# KiCad board beagle.kicad_pcb (continued)
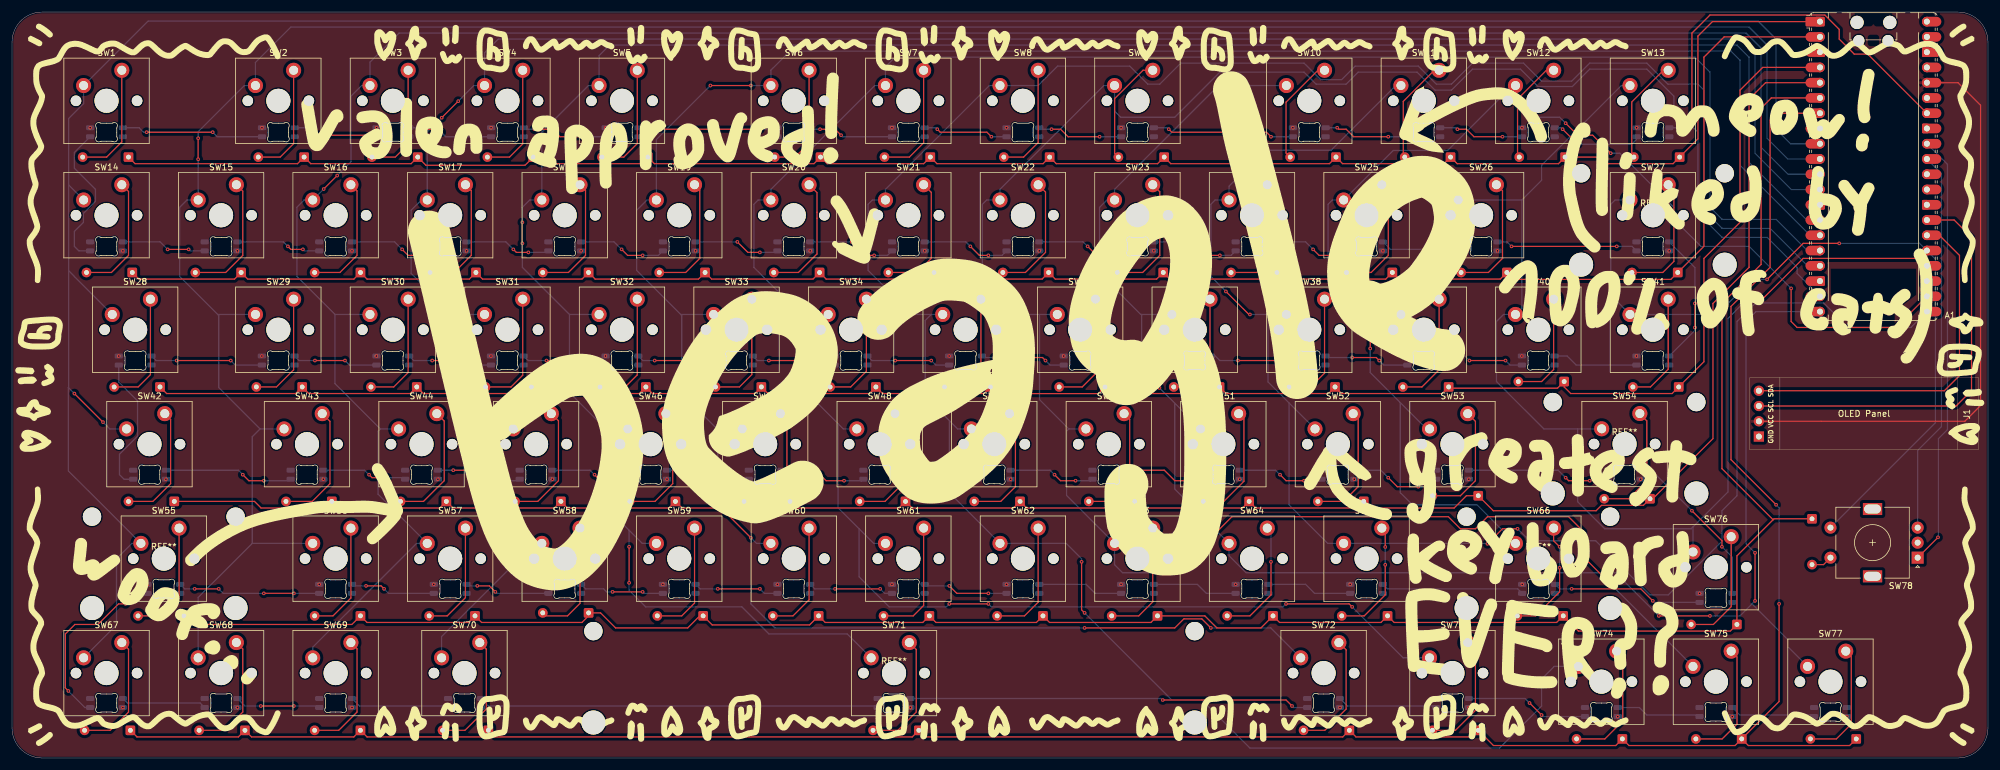
[diagram p0: board, top side]
## Footprints (pads in the part's own frame, mm; a bottom-side part is the same pattern mirrored in y, then rotated) (continued)
  round 4 hole 4 unplated: (0,0)
  round 2.5 hole 1.5: 1(-3.81,2.54) 2(2.54,5.08)
SW_Cherry_MX_PCB_1.75u
  round 1.75 hole 1.75 unplated: (-5.08,0) (5.08,0)
  round 4 hole 4 unplated: (0,0)
  round 2.5 hole 1.5: 1(-3.81,2.54) 2(2.54,5.08)
SW_Cherry_MX_PCB_2.00u
  round 1.75 hole 1.75 unplated: (-5.08,0) (5.08,0)
  round 4 hole 4 unplated: (0,0)
  round 2.5 hole 1.5: 1(-3.81,2.54) 2(2.54,5.08)
SW_Cherry_MX_PCB_6.25u
  round 1.75 hole 1.75 unplated: (-5.08,0) (5.08,0)
  round 4 hole 4 unplated: (0,0)
  round 2.5 hole 1.5: 1(-3.81,2.54) 2(2.54,5.08)

## Nets
+3V3: A1.36 D79.3 D80.3 D81.3 D82.3 D83.3 D84.3 D85.3 D86.3 D87.3 D88.3 D89.3 D90.3 D91.3 D92.3 D93.3 D94.3 D95.3 D96.3 D97.3 D98.3 D99.3 D100.3 D101.3 D102.3 D103.3 D104.3 D105.3 D106.3 D107.3 D108.3 D109.3 D110.3 D111.3 D112.3 D113.3 D114.3 D115.3 D116.3 D117.3 D118.3 D119.3 D120.3 D121.3 D122.3 D123.3 D124.3 D125.3 D126.3 D127.3 D128.3 D129.3 D130.3 D131.3 D132.3 D133.3 D134.3 D135.3 D136.3 D137.3 D138.3 D139.3 D140.3 D141.3 D142.3 D143.3 D144.3 D145.3 D146.3 D147.3 D148.3 D149.3 D150.3 D151.3 D152.3 D153.3 D154.3 D155.3 J1.2
GND: A1.3 A1.8 A1.13 A1.18 A1.23 A1.28 A1.38 D79.1 D80.1 D81.1 D82.1 D83.1 D84.1 D85.1 D86.1 D87.1 D88.1 D89.1 D90.1 D91.1 D92.1 D93.1 D94.1 D95.1 D96.1 D97.1 D98.1 D99.1 D100.1 D101.1 D102.1 D103.1 D104.1 D105.1 D106.1 D107.1 D108.1 D109.1 D110.1 D111.1 D112.1 D113.1 D114.1 D115.1 D116.1 D117.1 D118.1 D119.1 D120.1 D121.1 D122.1 D123.1 D124.1 D125.1 D126.1 D127.1 D128.1 D129.1 D130.1 D131.1 D132.1 D133.1 D134.1 D135.1 D136.1 D137.1 D138.1 D139.1 D140.1 D141.1 D142.1 D143.1 D144.1 D145.1 D146.1 D147.1 D148.1 D149.1 D150.1 D151.1 D152.1 D153.1 D154.1 D155.1 J1.1 SW78.C
COL1: A1.9 SW1.1 SW14.1 SW28.1 SW42.1 SW55.1 SW67.1
COL2: A1.10 SW2.1 SW15.1 SW29.1 SW43.1 SW56.1 SW68.1
COL3: A1.11 SW3.1 SW16.1 SW30.1 SW44.1 SW57.1 SW69.1
COL4: A1.12 SW4.1 SW17.1 SW31.1 SW45.1 SW58.1 SW70.1
COL5: A1.14 SW5.1 SW18.1 SW32.1 SW46.1 SW59.1 SW71.1
COL6: A1.15 SW6.1 SW19.1 SW33.1 SW47.1 SW60.1 SW72.1
COL7: A1.16 SW7.1 SW20.1 SW34.1 SW48.1 SW61.1 SW73.1
COL8: A1.17 SW8.1 SW21.1 SW35.1 SW49.1 SW62.1 SW74.1
COL9: A1.19 SW9.1 SW22.1 SW36.1 SW50.1 SW63.1 SW75.1
COL10: A1.20 SW10.1 SW23.1 SW37.1 SW51.1 SW64.1 SW77.1
COL11: A1.21 SW11.1 SW24.1 SW38.1 SW52.1 SW65.1
COL12: A1.22 SW12.1 SW25.1 SW39.1 SW53.1 SW66.1
COL13: A1.24 SW13.1 SW26.1 SW40.1 SW54.1 SW76.1
COL14: A1.25 SW27.1 SW41.1 SW78.S1
NEOPIXEL: A1.34 D79.2
ROTA: A1.32 SW78.A
ROTB: A1.31 SW78.B
ROTSW2: D78.2 SW78.S2
ROW1: A1.1 D1.1 D2.1 D3.1 D4.1 D5.1 D6.1 D7.1 D8.1 D9.1 D10.1 D11.1 D12.1 D13.1
ROW2: A1.2 D14.1 D15.1 D16.1 D17.1 D18.1 D19.1 D20.1 D21.1 D22.1 D23.1 D24.1 D25.1 D26.1 D27.1
ROW3: A1.4 D28.1 D29.1 D30.1 D31.1 D32.1 D33.1 D34.1 D35.1 D36.1 D37.1 D38.1 D39.1 D40.1 D41.1
ROW4: A1.5 D42.1 D43.1 D44.1 D45.1 D46.1 D47.1 D48.1 D49.1 D50.1 D51.1 D52.1 D53.1 D54.1
ROW5: A1.6 D55.1 D56.1 D57.1 D58.1 D59.1 D60.1 D61.1 D62.1 D63.1 D64.1 D65.1 D66.1 D76.1 D78.1
ROW6: A1.7 D67.1 D68.1 D69.1 D70.1 D71.1 D72.1 D73.1 D74.1 D75.1 D77.1
SCL: A1.27 J1.3
SDA: A1.26 J1.4
Net-(D1-A): D1.2 SW1.2
Net-(D2-A): D2.2 SW2.2
Net-(D3-A): D3.2 SW3.2
Net-(D4-A): D4.2 SW4.2
Net-(D5-A): D5.2 SW5.2
Net-(D6-A): D6.2 SW6.2
Net-(D7-A): D7.2 SW7.2
Net-(D8-A): D8.2 SW8.2
Net-(D9-A): D9.2 SW9.2
Net-(D10-A): D10.2 SW10.2
Net-(D11-A): D11.2 SW11.2
Net-(D12-A): D12.2 SW12.2
Net-(D13-A): D13.2 SW13.2
Net-(D14-A): D14.2 SW14.2
Net-(D15-A): D15.2 SW15.2
Net-(D16-A): D16.2 SW16.2
Net-(D17-A): D17.2 SW17.2
Net-(D18-A): D18.2 SW18.2
Net-(D19-A): D19.2 SW19.2
Net-(D20-A): D20.2 SW20.2
Net-(D21-A): D21.2 SW21.2
Net-(D22-A): D22.2 SW22.2
Net-(D23-A): D23.2 SW23.2
Net-(D24-A): D24.2 SW24.2
Net-(D25-A): D25.2 SW25.2
Net-(D26-A): D26.2 SW26.2
Net-(D27-A): D27.2 SW27.2
Net-(D28-A): D28.2 SW28.2
Net-(D29-A): D29.2 SW29.2
Net-(D30-A): D30.2 SW30.2
Net-(D31-A): D31.2 SW31.2
Net-(D32-A): D32.2 SW32.2
Net-(D33-A): D33.2 SW33.2
Net-(D34-A): D34.2 SW34.2
Net-(D35-A): D35.2 SW35.2
Net-(D36-A): D36.2 SW36.2
Net-(D37-A): D37.2 SW37.2
Net-(D38-A): D38.2 SW38.2
Net-(D39-A): D39.2 SW39.2
Net-(D40-A): D40.2 SW40.2
Net-(D41-A): D41.2 SW41.2
Net-(D42-A): D42.2 SW42.2
Net-(D43-A): D43.2 SW43.2
Net-(D44-A): D44.2 SW44.2
Net-(D45-A): D45.2 SW45.2
Net-(D46-A): D46.2 SW46.2
Net-(D47-A): D47.2 SW47.2
Net-(D48-A): D48.2 SW48.2
Net-(D49-A): D49.2 SW49.2
Net-(D50-A): D50.2 SW50.2
Net-(D51-A): D51.2 SW51.2
Net-(D52-A): D52.2 SW52.2
Net-(D53-A): D53.2 SW53.2
Net-(D54-A): D54.2 SW54.2
Net-(D55-A): D55.2 SW55.2
Net-(D56-A): D56.2 SW56.2
Net-(D57-A): D57.2 SW57.2
Net-(D58-A): D58.2 SW58.2
Net-(D59-A): D59.2 SW59.2
Net-(D60-A): D60.2 SW60.2
Net-(D61-A): D61.2 SW61.2
Net-(D62-A): D62.2 SW62.2
Net-(D63-A): D63.2 SW63.2
Net-(D64-A): D64.2 SW64.2
Net-(D65-A): D65.2 SW65.2
Net-(D66-A): D66.2 SW66.2
Net-(D67-A): D67.2 SW67.2
Net-(D68-A): D68.2 SW68.2
Net-(D69-A): D69.2 SW69.2
Net-(D70-A): D70.2 SW70.2
Net-(D71-A): D71.2 SW71.2
Net-(D72-A): D72.2 SW72.2
Net-(D73-A): D73.2 SW73.2
Net-(D74-A): D74.2 SW74.2
Net-(D75-A): D75.2 SW75.2
Net-(D76-A): D76.2 SW76.2
Net-(D77-A): D77.2 SW77.2
Net-(D79-DOUT): D79.4 D80.2
Net-(D80-DOUT): D80.4 D81.2
Net-(D81-DOUT): D81.4 D82.2
Net-(D82-DOUT): D82.4 D83.2
Net-(D83-DOUT): D83.4 D84.2
Net-(D84-DOUT): D84.4 D85.2
Net-(D85-DOUT): D85.4 D86.2
Net-(D86-DOUT): D86.4 D87.2
Net-(D87-DOUT): D87.4 D88.2
Net-(D88-DOUT): D88.4 D89.2
Net-(D89-DOUT): D89.4 D90.2
Net-(D90-DOUT): D90.4 D91.2
Net-(D91-DOUT): D91.4 D92.2
Net-(D92-DOUT): D92.4 D93.2
Net-(D93-DOUT): D93.4 D94.2
Net-(D94-DOUT): D94.4 D95.2
Net-(D95-DOUT): D95.4 D96.2
Net-(D96-DOUT): D96.4 D97.2
Net-(D97-DOUT): D97.4 D98.2
Net-(D98-DOUT): D98.4 D99.2
Net-(D100-DIN): D99.4 D100.2
Net-(D100-DOUT): D100.4 D101.2
Net-(D101-DOUT): D101.4 D102.2
Net-(D102-DOUT): D102.4 D103.2
Net-(D103-DOUT): D103.4 D104.2
Net-(D104-DOUT): D104.4 D105.2
Net-(D105-DOUT): D105.4 D106.2
Net-(D106-DOUT): D106.4 D107.2
Net-(D107-DOUT): D107.4 D108.2
Net-(D108-DOUT): D108.4 D109.2
Net-(D109-DOUT): D109.4 D110.2
Net-(D110-DOUT): D110.4 D111.2
Net-(D111-DOUT): D111.4 D112.2
Net-(D112-DOUT): D112.4 D113.2
Net-(D113-DOUT): D113.4 D114.2
Net-(D114-DOUT): D114.4 D115.2
Net-(D115-DOUT): D115.4 D116.2
Net-(D116-DOUT): D116.4 D117.2
Net-(D117-DOUT): D117.4 D118.2
Net-(D118-DOUT): D118.4 D119.2
Net-(D119-DOUT): D119.4 D120.2
Net-(D120-DOUT): D120.4 D121.2
Net-(D121-DOUT): D121.4 D122.2
Net-(D122-DOUT): D122.4 D123.2
Net-(D123-DOUT): D123.4 D124.2
Net-(D124-DOUT): D124.4 D125.2
Net-(D125-DOUT): D125.4 D126.2
Net-(D126-DOUT): D126.4 D127.2
Net-(D127-DOUT): D127.4 D128.2
Net-(D128-DOUT): D128.4 D129.2
Net-(D129-DOUT): D129.4 D130.2
Net-(D130-DOUT): D130.4 D131.2
Net-(D131-DOUT): D131.4 D132.2
Net-(D132-DOUT): D132.4 D133.2
Net-(D133-DOUT): D133.4 D134.2
Net-(D134-DOUT): D134.4 D135.2
Net-(D135-DOUT): D135.4 D136.2
Net-(D136-DOUT): D136.4 D137.2
Net-(D137-DOUT): D137.4 D138.2
Net-(D138-DOUT): D138.4 D139.2
Net-(D139-DOUT): D139.4 D140.2
Net-(D140-DOUT): D140.4 D141.2
Net-(D141-DOUT): D141.4 D142.2
Net-(D142-DOUT): D142.4 D143.2
Net-(D143-DOUT): D143.4 D144.2
Net-(D144-DOUT): D144.4 D145.2
Net-(D145-DOUT): D145.4 D146.2
Net-(D146-DOUT): D146.4 D147.2
Net-(D147-DOUT): D147.4 D148.2
Net-(D148-DOUT): D148.4 D149.2
Net-(D149-DOUT): D149.4 D150.2
Net-(D150-DOUT): D150.4 D151.2
Net-(D151-DOUT): D151.4 D152.2
Net-(D152-DOUT): D152.4 D153.2
Net-(D153-DOUT): D153.4 D154.2
Net-(D154-DOUT): D154.4 D155.2

Pads without a net: A1 29 30 33 35 37 39 40; D155 4; SW78 MP

## Via types
v1: diameter 0.6, hole 0.3, Top to Bottom, 256 vias

## Routing (per net, layer and track width the routed paths; a pad name or vN(x,y) marks a point on that pad's centre or on a via; arc(x,y) is an arc through that point)
+3V3: length 98.4
  Top w0.2: A1.36 323.63,112.4 327.38,108.65 327.38,58.65 324.76,56.04 J1.2
  vias: v1(12.99,104.9) v1(17.75,66.9) v1(18.44,84.4) v1(18.44,8.4) v1(22.52,28.9) v1(25.6,46.4) v1(37.49,84.4) v1(37.49,8.4) v1(41.57,104.9) v1(41.55,66.9) v1(51.09,28.9) v1(51.78,46.4) v1(56.54,84.4) v1(56.54,8.4) v1(60.62,104.9) v1(60.6,66.9) v1(70.14,28.9) v1(70.83,46.4) v1(75.59,84.4) v1(77.97,8.4) v1(79.67,104.9) v1(79.65,66.9) v1(89.19,28.9) v1(89.88,46.4) v1(94.64,84.4) v1(98.72,104.9) v1(98.7,66.9) v1(108.24,28.9) v1(108.93,46.4) v1(113.69,84.4) v1(117.75,66.9) v1(127.29,104.9) v1(127.29,28.9) v1(127.98,46.4) v1(132.74,84.4) v1(136.8,66.9) v1(146.34,104.9) v1(146.34,28.9) v1(147.03,46.4) v1(149.41,8.4) v1(151.79,84.4) v1(155.85,66.9) v1(165.39,104.9) v1(165.39,28.9) v1(166.08,46.4) v1(170.84,84.4) v1(174.9,66.9) v1(184.44,104.9) v1(184.44,28.9) v1(185.13,46.4) v1(189.89,84.4) v1(193.95,66.9) v1(203.49,28.9) v1(204.18,46.4) v1(208.94,84.4) v1(213.02,104.9) v1(213,66.9) v1(220.85,8.4) v1(222.54,28.9) v1(223.23,46.4) v1(227.99,84.4) v1(232.07,104.9) v1(232.05,66.9) v1(242.28,46.4) v1(242.28,8.4) v1(247.04,84.4) v1(251.12,104.9) v1(251.1,66.9) v1(251.15,28.9) v1(267.04,6.9) v1(270.17,104.9) v1(270.15,66.9) v1(270.85,46.4) v1(275.6,84.4) v1(280.65,27.4) v1(286.09,6.9) v1(305.14,6.9)
COL1: length 442.9
  Top w0.2: v1(10.38,60.65) v1(15.12,55.9)
  Bottom w0.2: SW42.1 16.26,54.77 v1(15.12,55.9) ; 9.38,61.65 9.41,61.69 9.41,81.11 ; 9.38,61.65 9.38,47.78 SW55.1 19.94,35.72 17.38,33.15 17.38,22.14 SW67.1 ; 9.38,61.65 v1(10.38,60.65) ; 9.41,81.11 9.41,95.36 ; 9.41,81.11 10.38,80.15 10.38,80.11 SW28.1 ; 9.41,95.36 9.41,106.42 11.91,108.92 SW1.1 22.64,122.65 290.38,122.65 293.38,119.65 293.38,104.65 295.79,102.23 300.67,102.23 ; 9.41,95.36 SW14.1
COL2: length 417.4
  Top w0.2: v1(30.96,99.65) v1(30.96,103.15)
  Bottom w0.2: 34.21,73.82 27.88,80.15 27.88,91.65 29.09,92.87 SW15.1 v1(30.96,99.65) ; 34.21,73.82 34.38,73.65 34.38,61.65 41.26,54.77 ; 34.21,73.82 SW29.1 ; 39.94,35.72 30.96,26.73 SW68.1 ; 39.94,35.72 39.94,53.46 41.26,54.77 ; 39.94,35.72 SW56.1 ; SW43.1 41.26,54.77 ; A1.10 295.33,99.7 291.88,103.15 291.88,118.65 288.88,121.65 46.38,121.65 40.48,115.76 SW2.1 38.64,111.92 30.96,104.23 v1(30.96,103.15)
COL3: length 395.4
  Top w0.2: v1(51.83,94.69) v1(54.08,96.94)
  Bottom w0.2: 300.67,97.16 295.37,97.16 290.88,101.65 290.88,118.15 288.38,120.65 64.38,120.65 59.53,115.81 SW3.1 58.14,111.92 56.38,110.15 56.38,99.24 v1(54.08,96.94) ; SW30.1 53.71,73.82 ; 53.71,73.82 47.38,80.15 47.38,91.65 48.59,92.87 SW16.1 v1(51.83,94.69) ; 53.71,73.82 53.71,62.32 61.26,54.77 ; 61.26,54.77 60.88,54.39 60.88,43.9 SW57.1 67.29,35.72 50.01,18.44 SW69.1 ; 61.26,54.77 SW44.1
COL4: length 377.3
  Top w0.2: v1(71.46,106.57) v1(74.21,109.32)
  Bottom w0.2: 86.44,35.72 SW58.1 ; 86.44,35.72 86.44,35.22 71.44,20.21 SW70.1 ; 86.44,35.72 84.31,35.72 79.26,40.77 79.26,54.77 ; A1.12 295.91,94.62 289.88,100.65 289.88,117.15 287.38,119.65 80.88,119.65 78.58,117.36 SW4.1 76.81,111.92 v1(74.21,109.32) ; SW45.1 79.26,54.77 ; 79.26,54.77 73.38,60.65 73.38,73.82 ; v1(71.46,106.57) 69.06,104.16 SW17.1 68.09,92.87 66.38,91.15 66.38,80.65 73.21,73.82 73.38,73.82 ; 73.38,73.82 SW31.1
COL5: length 388.8
  Top w0.2: v1(84.88,85.65) v1(84.88,89.15) ; v1(102.62,29.15) v1(102.62,35.15)
  Bottom w0.2: 98.76,54.77 92.71,60.82 92.71,73.82 ; 98.76,54.77 SW46.1 ; 98.76,54.77 98.88,54.65 98.88,41.65 102.62,37.9 ; SW71.1 138.89,20.65 125.88,20.65 121.38,25.15 105.38,25.15 102.62,27.9 v1(102.62,29.15) ; 92.71,73.82 SW32.1 ; 92.71,73.82 84.88,81.65 v1(84.88,85.65) ; SW59.1 104.81,35.72 102.62,37.9 ; v1(84.88,89.15) 84.88,91.65 86.09,92.87 SW18.1 88.11,104.16 95.86,111.92 SW5.1 97.63,116.91 99.38,118.65 286.88,118.65 288.88,116.65 288.88,99.15 298.49,89.54 A1.14 ; 102.62,37.9 v1(102.62,35.15)
COL6: length 421.3
  Top w0.2: v1(178.38,21.65) 193.38,21.65 194.88,23.15 197.88,23.15 v1(199.38,21.65) ; v1(116.14,111.92) v1(122.88,111.92) ; v1(118.88,40.65) v1(122.88,36.65)
  Bottom w0.2: v1(122.88,111.92) SW6.1 126.21,114.48 129.38,117.65 285.88,117.65 287.38,116.15 287.38,98.65 299.03,87 A1.15 ; 117.26,54.77 111.38,60.65 111.38,73.65 111.21,73.82 ; 117.26,54.77 SW47.1 ; 117.26,54.77 117.38,54.65 117.38,42.15 v1(118.88,40.65) ; 111.21,73.82 SW33.1 ; 111.21,73.82 103.88,81.15 103.88,91.15 105.59,92.87 SW19.1 107.16,102.93 v1(116.14,111.92) ; v1(178.38,21.65) 126.88,21.65 122.88,25.65 v1(122.88,36.65) 123.81,35.72 SW60.1 ; SW72.1 209.33,21.65 v1(199.38,21.65)
COL7: length 400.3
  Top w0.2: v1(155.88,25.65) v1(162.38,25.65) ; v1(222.88,25.15) 222.38,25.65 v1(211.88,25.65)
  Bottom w0.2: 140.88,38.15 140.88,30.15 145.88,25.15 155.38,25.15 v1(155.88,25.65) ; 140.88,38.15 137.38,41.65 137.38,55.65 ; 140.88,38.15 143.31,35.72 SW61.1 ; 133.38,73.82 131.21,73.82 123.38,81.65 123.38,92.15 124.09,92.87 SW20.1 126.21,94.64 143.49,111.92 SW7.1 145.26,115.03 146.88,116.65 279.88,116.65 282.38,114.15 282.38,91.65 284.38,89.65 293.38,89.65 298.57,84.46 A1.16 ; 133.38,73.82 132.88,73.32 132.88,60.15 137.38,55.65 ; 133.38,73.82 SW34.1 ; v1(222.88,25.15) 231.36,16.67 SW73.1 ; 137.38,55.65 138.26,54.77 SW48.1 ; v1(162.38,25.65) 162.88,25.15 211.38,25.15 v1(211.88,25.65)
COL8: length 402.4
  Top w0.2: v1(178.38,24.15) 177.88,24.65 v1(177.88,32.65)
  Bottom w0.2: 152.88,73.82 149.71,73.82 142.38,81.15 142.38,92.15 143.09,92.87 SW21.1 145.26,94.64 162.54,111.92 SW8.1 170.64,111.92 173.88,115.15 185.88,115.15 188.88,112.15 190.88,112.15 194.38,115.65 214.88,115.65 217.62,112.91 221.13,112.91 223.38,115.15 233.88,115.15 236.88,112.15 239.38,112.15 242.88,115.65 251.38,115.65 254.38,112.65 259.38,112.65 262.38,115.65 271.88,115.65 275.38,112.15 280.38,112.15 281.38,111.15 281.38,91.15 284.38,88.15 292.38,88.15 298.61,81.92 A1.17 ; 152.88,73.82 SW35.1 ; 152.88,73.82 151.88,72.82 151.88,60.15 155.88,56.15 ; 155.88,56.15 155.88,44.15 SW62.1 175.31,35.72 177.88,33.15 v1(177.88,32.65) ; 155.88,56.15 157.26,54.77 SW49.1 ; SW74.1 256.46,15.24 254.38,13.15 254.38,8.65 247.38,1.65 205.88,1.65 197.88,9.65 192.88,9.65 v1(178.38,24.15)
COL9: length 379.9
  Top w0.2: v1(198.62,35.9) 202.88,40.15 238.88,40.15 240.88,38.15 243.38,38.15 245.38,40.15 258.88,40.15 261.38,37.65 261.38,33.42 v1(264.65,30.15)
  Bottom w0.2: v1(198.62,35.9) 193.55,30.83 184.7,30.83 183.36,32.17 SW63.1 175.38,43.7 175.38,54.39 175.76,54.77 ; SW36.1 170.88,73.82 ; 170.88,73.82 168.71,73.82 161.38,81.15 161.38,92.15 162.09,92.87 SW22.1 164.31,94.64 181.59,111.92 SW9.1 183.36,107.67 184.38,106.65 193.38,106.65 200.88,114.15 214.88,114.15 216.88,112.15 221.88,112.15 223.88,114.15 233.66,114.15 236.66,111.15 239.38,111.15 242.88,114.65 250.88,114.65 253.77,111.75 259.48,111.75 262.38,114.65 271.88,114.65 276.38,110.15 276.38,108.15 280.38,104.15 280.38,90.65 284.38,86.65 291.88,86.65 296.88,81.65 296.88,80.63 A1.19 ; 170.88,73.82 170.88,59.65 175.76,54.77 ; 175.76,54.77 SW50.1 ; v1(264.65,30.15) SW75.1
COL10: length 286
  Top w0.2: v1(273.88,23.65) v1(282.38,23.65) ; v1(289.88,26.15) v1(289.88,34.15) ; v1(187.88,64.65) 190.82,61.71 v1(190.82,61.59)
  Bottom w0.2: 289.38,25.65 v1(289.88,26.15) ; 289.38,25.65 295.38,19.65 295.38,18.47 SW77.1 ; 289.38,25.65 287.38,23.65 v1(282.38,23.65) ; 193.38,59.04 193.38,44.75 SW64.1 202.41,33.67 205.24,30.83 266.7,30.83 v1(273.88,23.65) ; 193.38,59.04 SW51.1 ; 193.38,59.04 v1(190.82,61.59) ; 187.88,73.82 187.71,73.82 180.86,80.66 180.86,91.64 182.09,92.87 SW23.1 183.36,94.64 200.64,111.92 212.25,111.92 ; 187.88,73.82 SW37.1 ; 187.88,73.82 v1(187.88,64.65) 187.88,64.54 ; v1(289.88,34.15) 288.38,35.65 288.38,72.65 290.02,74.3 300.67,74.3
COL11: length 265.3
  Top w0.2: v1(201.88,77.65) 205.71,73.82 v1(205.88,73.82) ; v1(245.38,35.65) 247.88,38.15 v1(250.38,38.15)
  Bottom w0.2: v1(245.38,35.65) 245.31,35.72 SW65.1 218.81,35.72 212.38,42.15 212.38,59.09 ; 205.71,73.82 v1(205.88,73.82) 208.88,73.82 ; 318.45,74.3 315.81,71.65 305.38,71.65 301.29,75.73 289.96,75.73 286.88,72.65 286.88,43.65 284.36,41.13 284.36,36.06 275.45,27.15 272.38,27.15 263.38,36.15 252.38,36.15 v1(250.38,38.15) ; v1(201.88,77.65) 199.38,80.15 199.38,92.15 200.09,92.87 SW24.1 202.41,95.18 208.38,101.15 219.38,101.15 230.14,111.92 231.3,111.92 ; 212.38,59.09 208.88,62.59 208.88,73.82 ; 212.38,59.09 SW52.1 ; SW38.1 208.88,73.82
COL12: length 220.5
  Top w0.2: v1(295.88,78.15) 295.88,72.65 296.88,71.65 313.27,71.65 A1.22 ; v1(225.88,73.15) v1(225.88,68.15) ; v1(265.88,100.65) 262.88,103.65 260.38,103.65 v1(258.38,105.65)
  Bottom w0.2: v1(225.88,68.15) 225.88,64.15 230.88,59.15 ; SW53.1 235.26,54.77 230.88,59.15 ; SW39.1 226.21,73.82 225.88,74.15 ; 230.88,59.15 230.88,44.15 232.88,42.15 243.6,42.15 SW66.1 ; v1(295.88,78.15) 288.88,85.15 280.88,85.15 276.38,89.65 276.38,91.65 267.38,100.65 v1(265.88,100.65) ; 225.88,74.15 218.88,81.15 218.88,92.15 219.59,92.87 SW25.1 229.7,101.11 238.76,101.11 249.57,111.92 SW12.1 250.03,108.49 251.88,106.65 257.38,106.65 v1(258.38,105.65) ; 225.88,74.15 v1(225.88,73.15)
COL13: length 204.4
  Top w0.2: A1.24 317.22,83.15 297.88,83.15 291.38,76.65 v1(289.88,76.65)
  Bottom w0.2: 251.09,92.87 254.38,96.15 254.38,98.65 267.64,111.92 269.4,111.92 ; 251.09,92.87 251.09,74.88 SW40.1 248.04,73.82 246.88,72.65 246.88,62.65 254.76,54.77 260.38,54.77 ; 251.09,92.87 SW26.1 ; v1(289.88,76.65) 288.88,76.65 285.38,73.15 285.38,44.28 279.56,38.47 ; 264.32,54.77 260.38,54.77 ; 260.38,54.77 260.38,42.65 264.88,38.15 279.24,38.15 279.56,38.47 ; 279.56,38.47 SW76.1
COL14: length 131.9
  Top w0.2: v1(291.88,79.65) 297.88,85.65 v1(303.88,85.65)
  Bottom w0.2: v1(291.88,79.65) 289.38,79.65 283.54,73.82 SW41.1 265.88,77.03 265.88,92.15 266.59,92.87 SW27.1 ; v1(303.88,85.65) 317.26,85.65 A1.25 319.88,83.03 319.88,55.79 SW78.S1
NEOPIXEL: length 66.5
  Top w0.2: A1.34 308.62,117.15 306.38,117.15 303.88,119.65 303.88,121.27 301.48,123.66 282.38,123.66 279.38,120.65 279.38,106.65 v1(277.88,105.15)
  Bottom w0.2: v1(277.88,105.15) 277.62,104.9 D79.2
ROTA: length 72.4
  Top w0.2: SW78.A v1(320.3,36.72)
  Bottom w0.2: v1(320.3,36.72) 320.38,36.79 320.38,53.15 321.88,54.65 321.88,98.81 318.45,102.23
ROTB: length 64
  Bottom w0.2: SW78.B 316.92,51.19 320.88,55.15 320.88,97.27 A1.31
ROTSW2: length 3.5
  Top w0.2: D78.2 301.27,32.19 SW78.S2
ROW1: length 311.8
  Top w0.2: D1.1 20.47,98.91 47.48,98.91 D2.1 49.68,98.91 66.37,98.91 D3.1 68.83,98.65 85.31,98.65 D4.1 87.78,98.91 104.63,98.91 D5.1 106.83,98.91 133.36,98.91 D6.1 135.56,98.91 151.62,98.91 D7.1 153.82,98.91 171.46,98.91 D8.1 173.66,98.91 190.51,98.91 D9.1 192.71,98.91 219.09,98.91 D10.1 221.29,98.91 238.14,98.91 D11.1 240.34,98.91 257.19,98.91 D12.1 264.01,100.01 265.11,98.91 276.24,98.91 D13.1 280.38,103.05 280.38,120.15 282.78,122.56 A1.1
ROW2: length 327.2
  Top w0.2: 300.67,120.02 284.74,120.02 281.38,116.65 281.38,85.16 D27.1 275.87,79.65 249.76,79.65 D26.1 247.5,79.7 230.65,79.7 D25.1 228.45,79.7 211.44,79.7 D24.1 209.24,79.7 192.55,79.7 D23.1 190.35,79.7 173.5,79.7 D22.1 171.3,79.7 154.45,79.7 D21.1 152.25,79.7 135.4,79.7 D20.1 133.2,79.7 116.35,79.7 D19.1 114.15,79.7 96.99,79.7 D18.1 94.78,79.7 78.25,79.7 D17.1 76.05,79.7 59.04,79.7 D16.1 56.84,79.7 39.2,79.7 D15.1 37,79.7 21.1,79.7 D14.1
ROW3: length 333.4
  Top w0.2: D28.1 25.71,60.65 47.16,60.65 D29.1 49.36,60.65 66.21,60.65 D30.1 68.41,60.65 85.26,60.65 D31.1 87.46,60.65 104.31,60.65 D32.1 106.51,60.65 123.52,60.65 D33.1 125.72,60.65 142.57,60.65 D34.1 144.77,60.65 161.62,60.65 D35.1 163.82,60.65 180.66,60.65 D36.1 182.87,60.65 199.72,60.65 D37.1 201.92,60.65 218.93,60.65 D38.1 221.13,60.65 237.82,60.65 D39.1 239.12,61.55 257.03,61.55 D40.1 258.13,61.75 259.23,60.65 276.08,60.65 D41.1 281.38,65.95 281.38,83.15 287.38,89.15 287.38,111.15 291.16,114.94 300.67,114.94
ROW4: length 344.7
  Top w0.2: D54.1 272.87,43.15 282.88,53.16 282.88,75.65 288.88,81.65 288.88,109.65 291.62,112.4 A1.5 ; D54.1 271.31,42.05 264.34,42.05 263.44,41.15 246.34,41.15 D53.1 241.88,43.65 239.83,41.6 225.89,41.6 D52.1 223.69,41.6 206.84,41.6 D51.1 204.64,41.6 187.79,41.6 D50.1 185.59,41.6 168.74,41.6 D49.1 166.54,41.6 149.69,41.6 D48.1 147.49,41.6 130.48,41.6 D47.1 128.28,41.6 111.43,41.6 D46.1 109.23,41.6 92.38,41.6 D45.1 90.18,41.6 73.33,41.6 D44.1 71.13,41.6 54.28,41.6 D43.1 52.08,41.6 41.42,41.6 40.32,42.7 D42.1 ; D54.1 272.42,42.69
ROW5: length 384.3
  Top w0.2: 292.88,39.65 284.38,48.15 284.38,75.65 290.88,82.15 290.88,108.15 292.58,109.86 300.67,109.86 ; 292.88,39.65 293.03,39.81 D78.1 ; 292.88,39.65 286.86,33.64 D76.1 285.76,21.12 260.5,21.12 D66.1 256.87,22.55 229.86,22.55 D65.1 227.66,22.55 210.81,22.55 D64.1 207.71,21.65 200.38,21.65 198.37,23.65 D63.1 189.4,22.55 172.55,22.55 D62.1 170.35,22.55 153.66,22.55 D61.1 151.46,22.55 135.24,22.55 D60.1 132.64,22.15 116.44,22.15 D59.1 114.38,23.65 112.38,21.65 100.38,21.65 97.88,24.15 D58.1 95.88,23.65 94.78,22.55 78.09,22.55 D57.1 75.89,22.55 59.04,22.55 D56.1 56.52,22.22 30,22.22 D55.1
ROW6: length 416.2
  Top w0.2: D75.1 286.56,2.08 268.91,2.08 D74.1 266.71,2.08 246.37,2.08 D73.1 242.74,3.5 223.51,3.5 D72.1 221.31,3.5 151.91,3.5 D71.1 149.71,3.5 80.32,3.5 D70.1 78.12,3.5 59.04,3.5 D69.1 56.84,3.5 39.83,3.5 D68.1 37.64,3.5 20.78,3.5 D67.1 ; D75.1 288.75,2.08 305.61,2.08 D77.1 ; D75.1 293.88,9.4 v1(293.88,25.65) ; v1(293.38,42.15) 285.88,49.65 285.88,75.15 292.38,81.65 292.38,106.15 293.54,107.32 A1.7
  Bottom w0.2: v1(293.38,42.15) 293.88,41.65 v1(293.88,25.65)
SCL: length 70.5
  Top w0.2: A1.27 322.99,89.54 325.88,86.65 325.88,61.15 323.3,58.58 J1.3
SDA: length 61.2
  Top w0.2: A1.26 320.53,87 323.88,83.65 323.88,63.65 321.34,61.12 J1.4
Net-(D1-A): length 19.5
  Top w0.2: SW1.2 18.26,102.53 15.74,100.01 D1.2
Net-(D2-A): length 19
  Top w0.2: SW2.2 46.83,102.25 44.6,100.01 D2.2
Net-(D3-A): length 19.2
  Top w0.2: SW3.2 65.88,102.16 63.74,100.01 D3.2
Net-(D4-A): length 19
  Top w0.2: SW4.2 84.93,102.21 82.74,100.01 D4.2
Net-(D5-A): length 19
  Top w0.2: D5.2 101.74,100.01 103.98,102.26 SW5.2
Net-(D6-A): length 18.8
  Top w0.2: SW6.2 132.56,102.33 130.24,100.01 D6.2
Net-(D7-A): length 19.6
  Top w0.2: SW7.2 151.61,102.38 149.24,100.01 D7.2
Net-(D8-A): length 18.7
  Top w0.2: D8.2 168.24,100.01 170.66,102.43 SW8.2
Net-(D9-A): length 18.3
  Top w0.2: D9.2 183.38,100.63 183.38,109.75 188.09,114.46 SW9.2
Net-(D10-A): length 18
  Top w0.2: D10.2 211.88,100.7 211.88,109.15 217.18,114.46 SW10.2
Net-(D11-A): length 17.5
  Top w0.2: SW11.2 236.55,114.46 231.38,109.29 231.38,100.25 D11.2
Net-(D12-A): length 17.8
  Top w0.2: SW12.2 255.18,114.46 250.38,109.65 250.38,100.3 D12.2
Net-(D13-A): length 17.6
  Top w0.2: D13.2 269.38,100.35 269.38,109.19 274.65,114.46 SW13.2
Net-(D14-A): length 20.4
  Top w0.2: D14.2 16.53,80.8 19.38,83.65 19.38,94.29 SW14.2
Net-(D15-A): length 21.3
  Top w0.2: D15.2 35.53,80.8 38.38,83.65 38.38,94.34 SW15.2
Net-(D16-A): length 20.4
  Top w0.2: SW16.2 57.38,94.39 57.38,83.65 54.53,80.8 D16.2
Net-(D17-A): length 20.2
  Top w0.2: D17.2 73.53,80.8 76.38,83.65 76.38,94.44 SW17.2
Net-(D18-A): length 20.4
  Top w0.2: D18.2 92.53,80.8 95.38,83.65 95.38,94.49 SW18.2
Net-(D19-A): length 20.3
  Top w0.2: D19.2 112.03,80.8 114.38,83.15 114.38,94.54 SW19.2
Net-(D20-A): length 20.5
  Top w0.2: SW20.2 133.88,94.09 133.88,90.84 133.87,90.84 133.87,89.82 133.88,89.82 133.88,83.9 130.78,80.8 D20.2
Net-(D21-A): length 20.9
  Top w0.2: D21.2 150.53,80.8 152.88,83.15 152.88,94.14 SW21.2
Net-(D22-A): length 20.2
  Top w0.2: SW22.2 171.88,94.19 171.88,84.15 168.53,80.8 D22.2
Net-(D23-A): length 20.5
  Top w0.2: D23.2 188.03,80.8 190.88,83.65 190.88,94.24 SW23.2
Net-(D24-A): length 20.6
  Top w0.2: D24.2 207.03,80.8 209.88,83.65 209.88,94.29 SW24.2
Net-(D25-A): length 20.3
  Top w0.2: SW25.2 228.88,94.34 228.88,83.65 226.03,80.8 D25.2
Net-(D26-A): length 20.5
  Top w0.2: SW26.2 247.88,94.39 247.88,83.15 245.53,80.8 D26.2
Net-(D27-A): length 20.9
  Top w0.2: D27.2 274.53,80.8 276.38,82.65 276.38,94.47 SW27.2
Net-(D28-A): length 19.4
  Top w0.2: D28.2 20.98,61.75 23.02,63.79 SW28.2
Net-(D29-A): length 19.1
  Top w0.2: D29.2 43.98,61.75 46.83,64.61 SW29.2
Net-(D30-A): length 19.4
  Top w0.2: D30.2 63.48,61.75 65.88,64.16 SW30.2
Net-(D31-A): length 19.7
  Top w0.2: SW31.2 84.93,63.71 82.98,61.75 78.74,61.75
Net-(D32-A): length 19.6
  Top w0.2: SW32.2 103.98,63.76 101.98,61.75 D32.2
Net-(D33-A): length 19.4
  Top w0.2: SW33.2 123.03,63.81 120.98,61.75 D33.2
Net-(D34-A): length 19.1
  Top w0.2: SW34.2 142.08,64.36 139.48,61.75 D34.2
Net-(D35-A): length 19.4
  Top w0.2: D35.2 158.98,61.75 161.13,63.91 SW35.2
Net-(D36-A): length 19.3
  Top w0.2: SW36.2 180.18,63.96 177.98,61.75 D36.2
Net-(D37-A): length 19
  Top w0.2: SW37.2 199.23,64.51 196.48,61.75 D37.2
Net-(D38-A): length 19.1
  Top w0.2: SW38.2 218.28,64.06 215.98,61.75 D38.2
Net-(D39-A): length 19
  Top w0.2: D39.2 234.48,61.75 237.33,64.61 SW39.2
Net-(D40-A): length 18.4
  Top w0.2: D40.2 254.38,62.65 256.38,64.66 SW40.2
Net-(D41-A): length 18.7
  Top w0.2: SW41.2 275.43,64.71 272.48,61.75 D41.2
Net-(D42-A): length 20.3
  Top w0.2: D42.2 23.43,42.7 26.38,45.65 26.38,56.33 SW42.2
Net-(D43-A): length 20.7
  Top w0.2: SW43.2 52.88,56.03 52.88,45.65 49.93,42.7 D43.2
Net-(D44-A): length 20.4
  Top w0.2: SW44.2 71.88,56.08 71.88,46.15 68.43,42.7 D44.2
Net-(D45-A): length 20.3
  Top w0.2: SW45.2 90.88,56.13 90.88,46.15 87.43,42.7 D45.2
Net-(D46-A): length 20.5
  Top w0.2: D46.2 106.93,42.7 109.88,45.65 109.88,56.18 SW46.2
Net-(D47-A): length 20.1
  Top w0.2: D47.2 125.43,42.7 128.88,46.15 128.88,56.23 SW47.2
Net-(D48-A): length 20.4
  Top w0.2: SW48.2 147.88,56.28 147.88,45.4 145.18,42.7 D48.2
Net-(D49-A): length 20.4
  Top w0.2: SW49.2 166.88,56.33 166.88,45.15 164.43,42.7 D49.2
Net-(D50-A): length 20.1
  Top w0.2: SW50.2 185.88,56.38 185.88,45.65 182.93,42.7 D50.2
Net-(D51-A): length 19.8
  Top w0.2: SW51.2 204.88,56.43 204.88,46.05 201.52,42.7 D51.2
Net-(D52-A): length 20.2
  Top w0.2: SW52.2 223.88,56.48 223.88,45.15 221.43,42.7 D52.2
Net-(D53-A): length 19.9
  Top w0.2: D53.2 240.88,43.65 243.38,46.15 243.38,56.03 SW53.2
Net-(D54-A): length 20
  Top w0.2: D54.2 268.88,43.15 271.88,46.15 271.88,56.1 270.67,57.31
Net-(D55-A): length 19.7
  Top w0.2: SW55.2 27.78,26.56 24.88,23.65 D55.2
Net-(D56-A): length 18.9
  Top w0.2: D56.2 53.38,23.65 56.36,26.63 SW56.2
Net-(D57-A): length 18.9
  Top w0.2: D57.2 72.38,23.65 75.41,26.68 SW57.2
Net-(D58-A): length 19.6
  Top w0.2: 88.26,23.65 92.38,23.65 94.46,25.73 SW58.2
Net-(D59-A): length 19.5
  Top w0.2: D59.2 111.38,23.65 113.51,25.78 SW59.2
Net-(D60-A): length 19.1
  Top w0.2: SW60.2 132.56,26.33 129.88,23.65 D60.2
Net-(D61-A): length 20.3
  Top w0.2: SW61.2 151.61,25.38 149.88,23.65 D61.2
Net-(D62-A): length 20.1
  Top w0.2: 163.83,23.65 168.38,23.65 170.66,25.93 SW62.2
Net-(D63-A): length 20.1
  Top w0.2: SW63.2 189.71,25.98 187.38,23.65 D63.2
Net-(D64-A): length 20.1
  Top w0.2: v1(209.38,32.65) 209.38,27.15 205.88,23.65 D64.2
  Bottom w0.2: SW64.2 209.38,37.64 v1(209.38,32.65)
Net-(D65-A): length 20
  Top w0.2: D65.2 224.88,23.65 228.38,27.15 v1(228.38,32.15) ; SW65.2 228.38,37.69 v1(228.38,35.12)
  Bottom w0.2: v1(228.38,32.15) v1(228.38,35.12)
Net-(D66-A): length 19.7
  Top w0.2: v1(257.38,31.65) 257.38,27.65 253.38,23.65 D66.2 ; SW66.2 256.38,38.25 256.38,36.15 v1(257.38,35.15)
  Bottom w0.2: v1(257.38,35.15) v1(257.38,31.65)
Net-(D67-A): length 20.6
  Top w0.2: D67.2 16.33,4.6 19.38,7.65 19.38,18.09 SW67.2
Net-(D68-A): length 20.5
  Top w0.2: SW68.2 38.38,18.14 38.38,7.65 35.33,4.6 D68.2
Net-(D69-A): length 20.3
  Top w0.2: SW69.2 57.38,18.19 57.38,7.65 54.33,4.6 D69.2
Net-(D70-A): length 20.3
  Top w0.2: SW70.2 78.88,18.12 78.88,8.15 75.33,4.6 D70.2
Net-(D71-A): length 20.5
  Top w0.2: SW71.2 150.38,18.06 150.38,7.65 147.33,4.6 D71.2
Net-(D72-A): length 20.1
  Top w0.2: SW72.2 221.88,18 221.88,8.15 218.33,4.6 D72.2
Net-(D73-A): length 20.3
  Top w0.2: SW73.2 243.38,17.93 243.38,7.93 240.05,4.6 D73.2
Net-(D74-A): length 21
  Top w0.2: SW74.2 267.88,16.76 267.88,6.15 264.9,3.18 D74.2
Net-(D75-A): length 20.4
  Top w0.2: D75.2 284.4,3.18 286.88,5.65 286.88,16.81 SW75.2
Net-(D76-A): length 19.5
  Top w0.2: SW76.2 285.91,25.18 282.95,22.22 D76.2
Net-(D77-A): length 20.3
  Top w0.2: SW77.2 305.88,16.86 305.88,5.65 303.4,3.18 D77.2
Net-(D79-DOUT): length 15.5
  Top w0.2: v1(260.38,102.15) v1(257.88,104.65)
  Bottom w0.2: v1(257.88,104.65) 257.62,104.9 D80.2 ; v1(260.38,102.15) 269.38,102.15 270.17,102.94 D79.4
